# Altium PCB AVR64DA64-BREAKOUT.PcbDoc (part 1 of 4)
Units mm, origin at the board's own origin, x right, y up, seen from the top; angles counter-clockwise.
Board outline 160.02 x 165.1 mm, 2 copper layers (Top Layer, Bottom Layer), stack 1.591 mm thick; 428 components, 351 nets, 1607 pads, 177 vias.
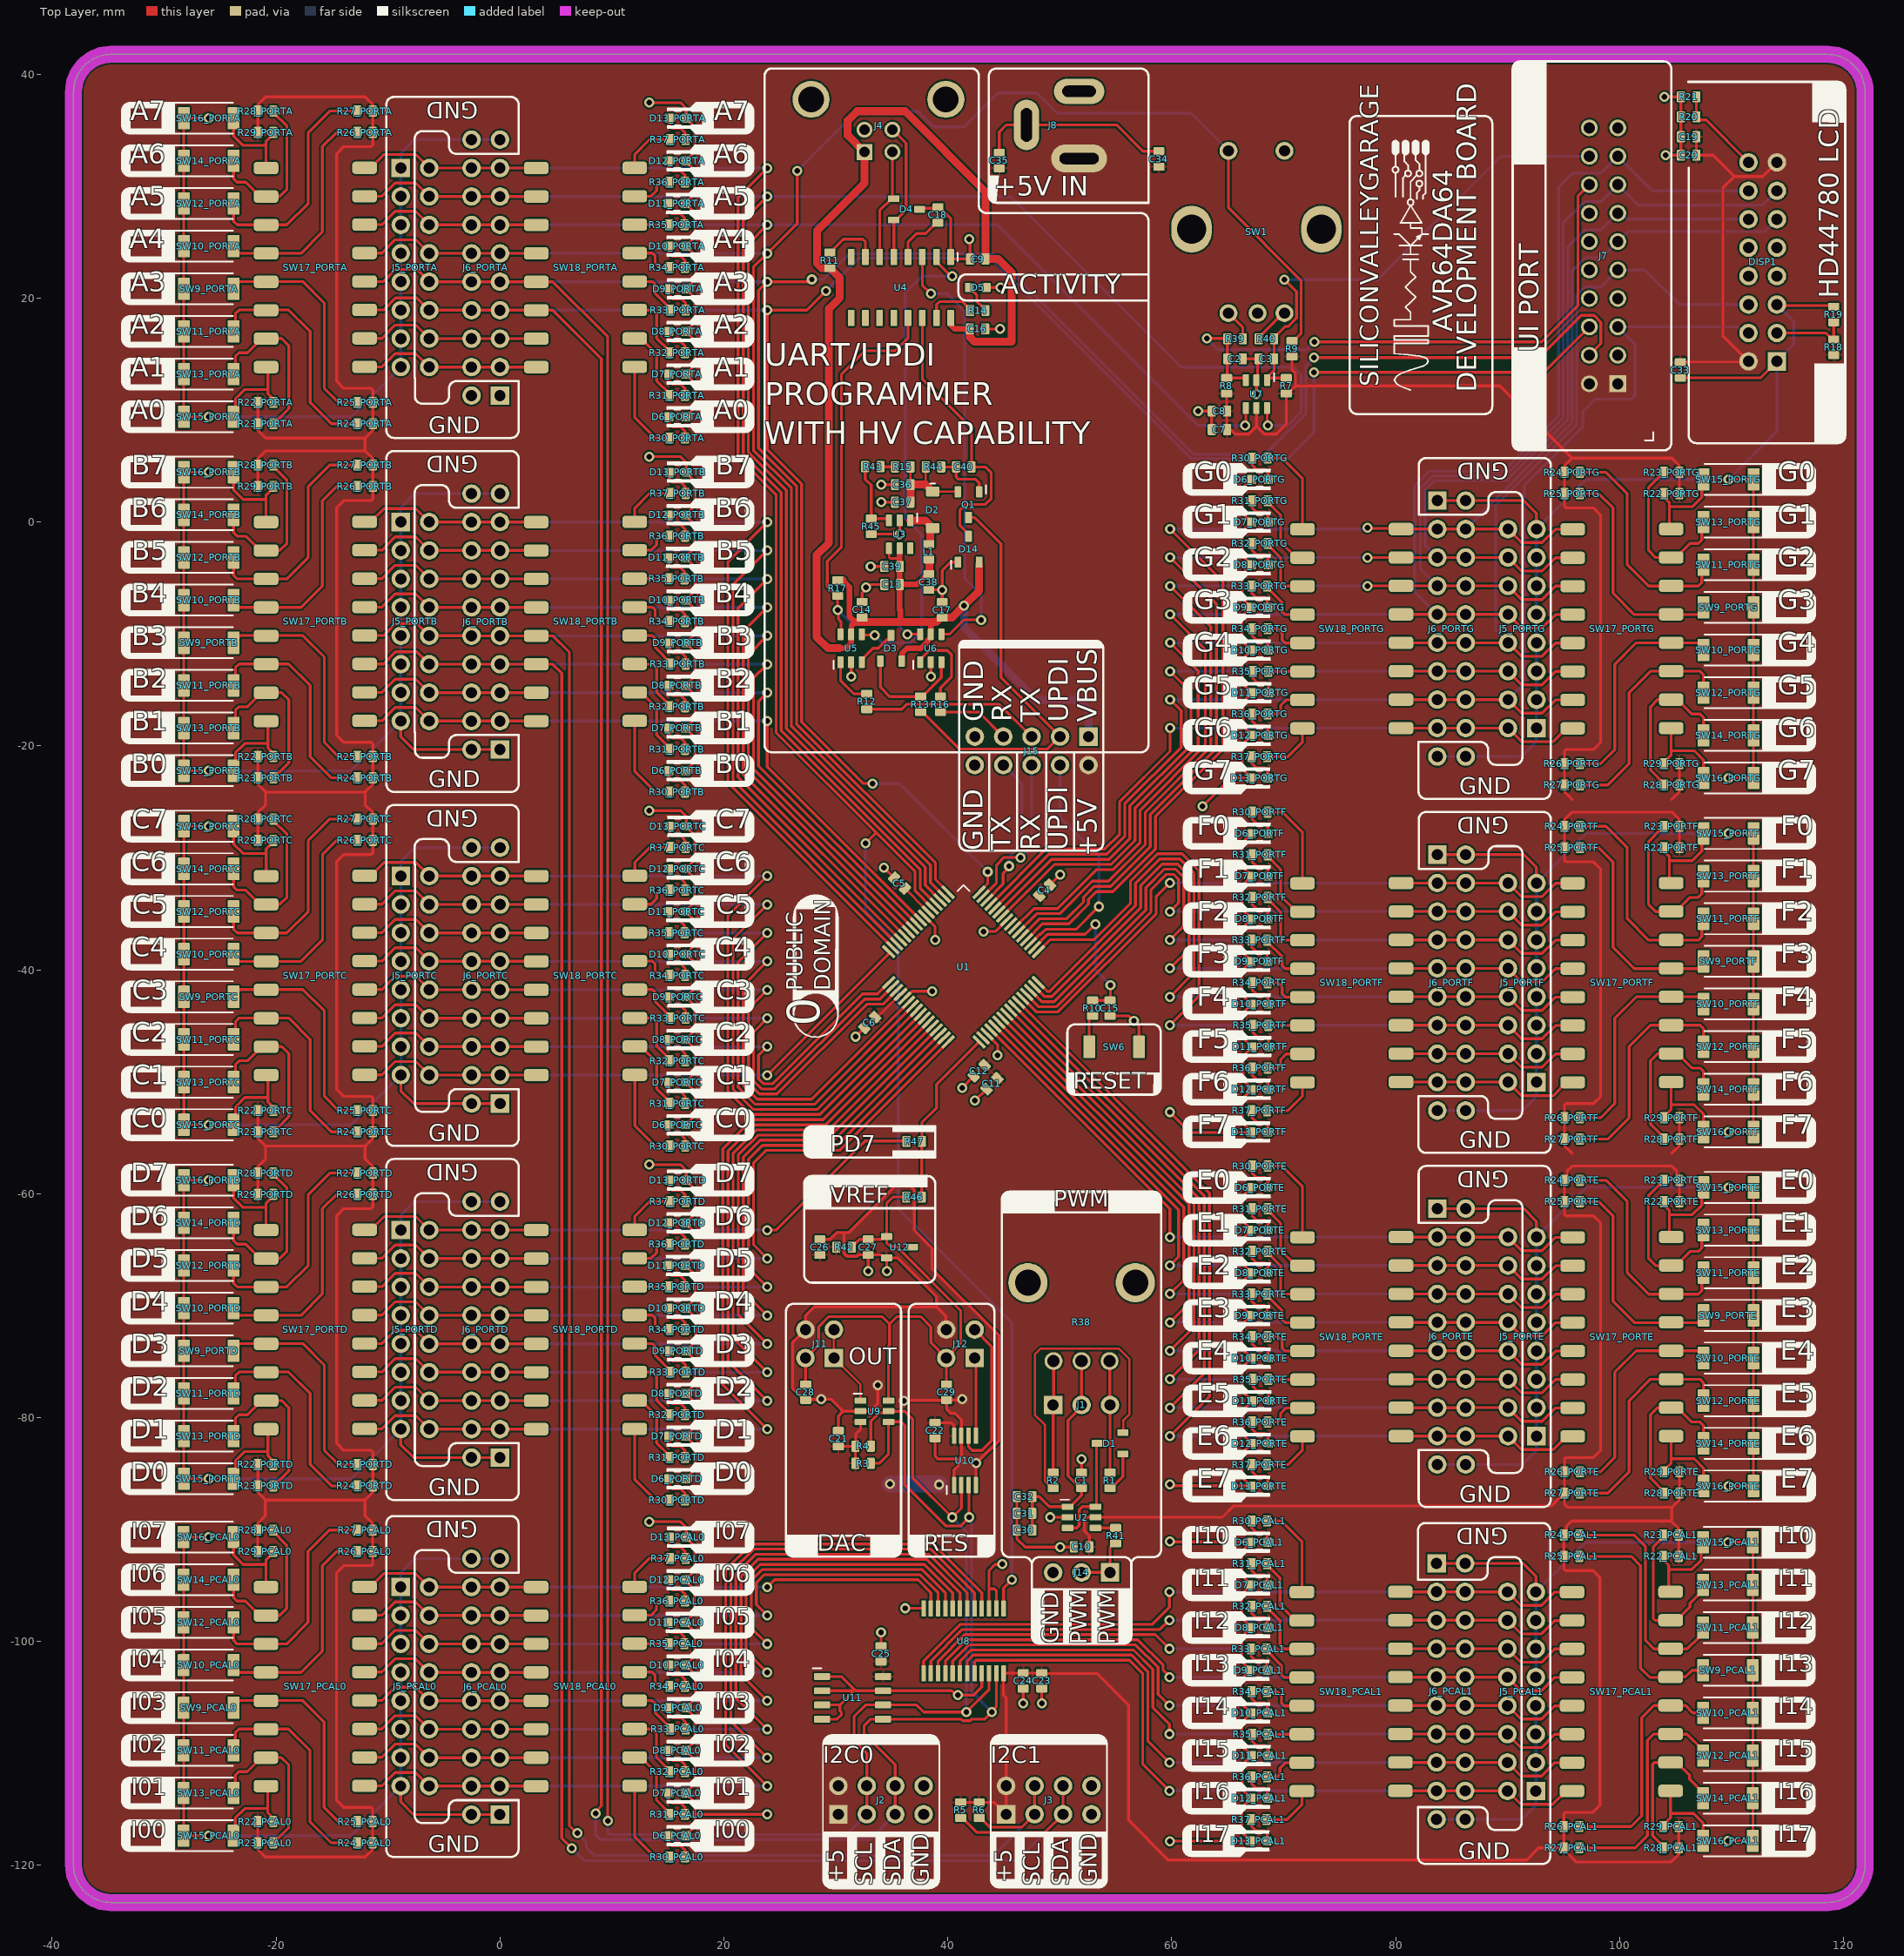
[diagram p0: Top Layer view]
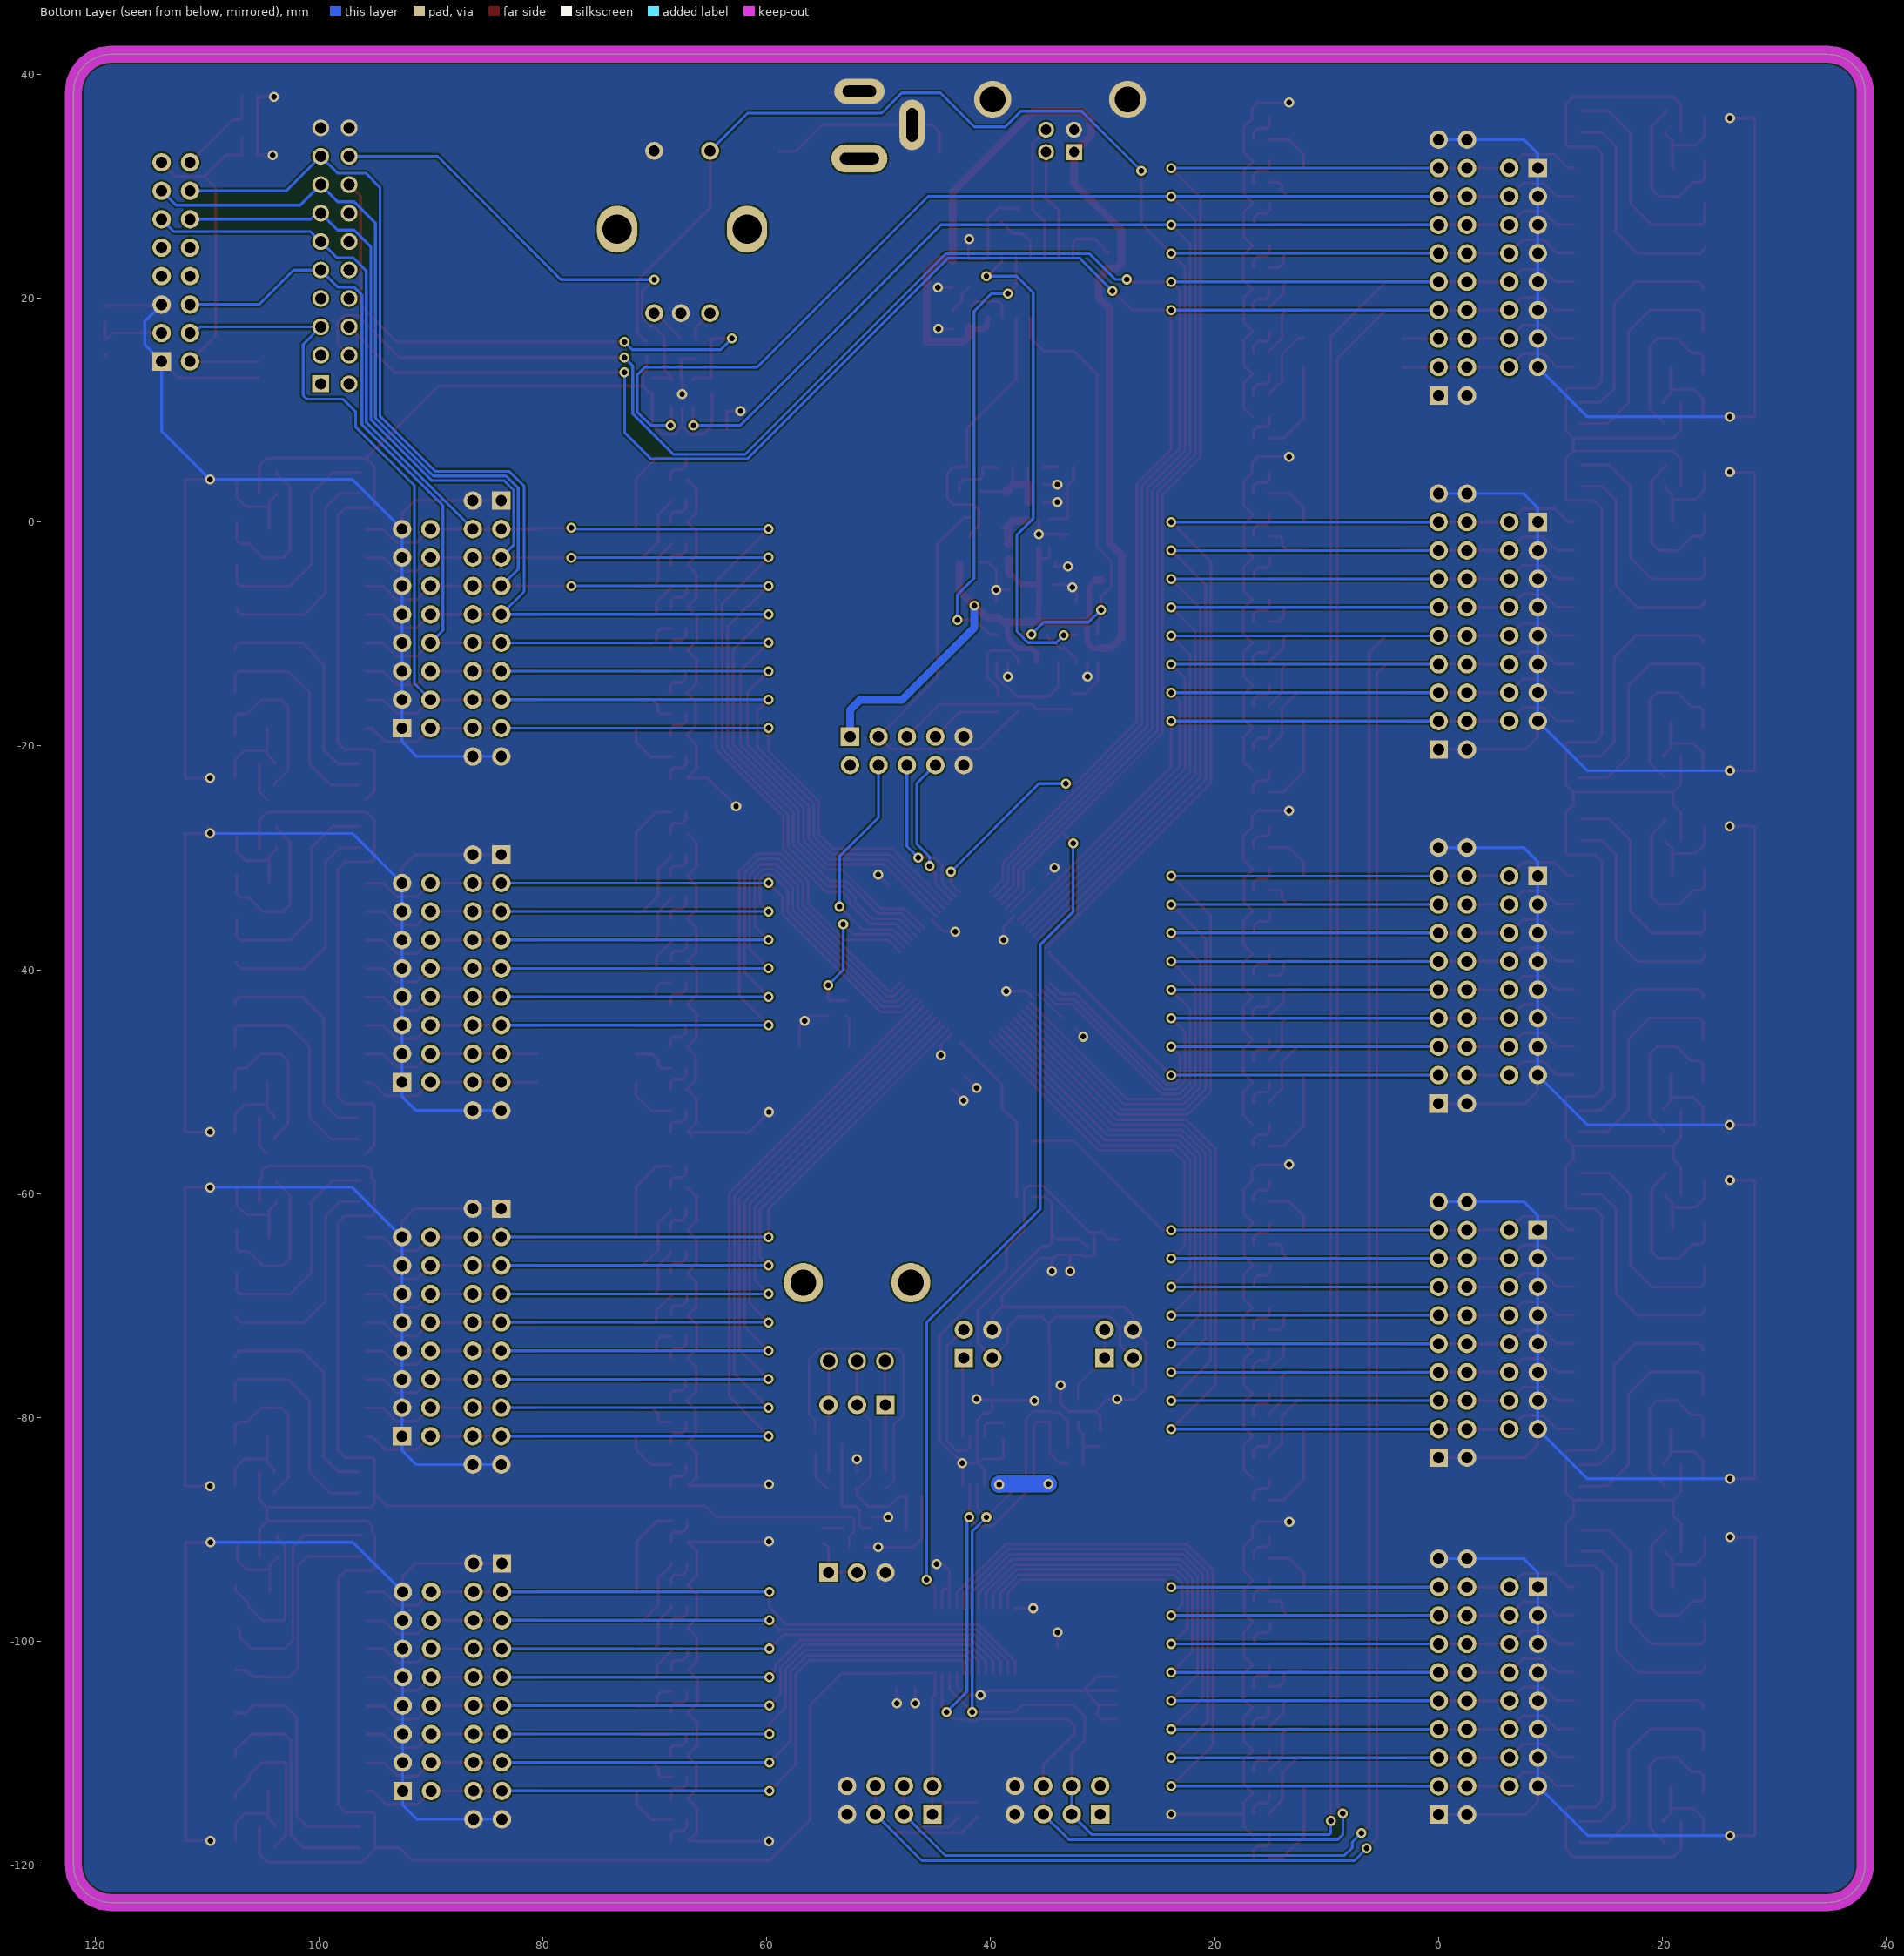
[diagram p1: Bottom Layer view, seen from below]
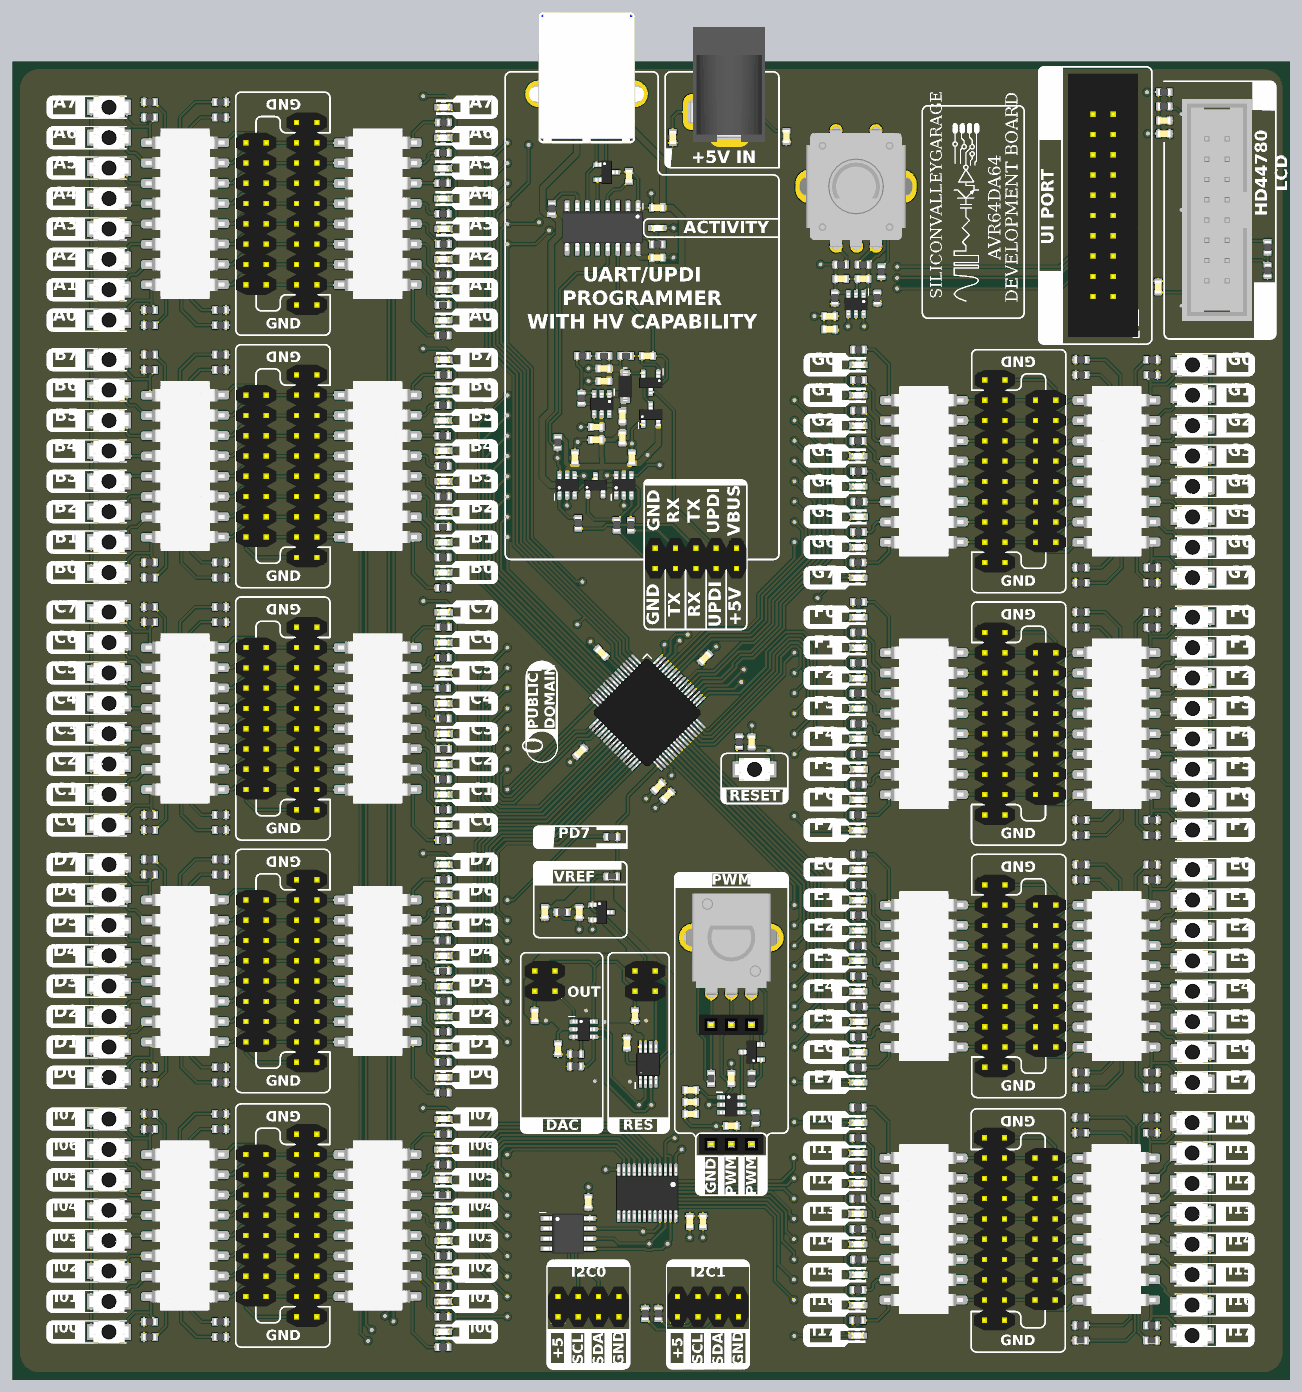
[diagram p5: 3D render of the assembled board from above, using the file's embedded part models]

## Layer stack, top to bottom
Top Solder: solder mask 0.0102, Solder Resist, Dk 3.5
Top Layer: signal copper 0.0356
Dielectric 1: dielectric 1.52, FR-4, Dk 4.8
Bottom Layer: signal copper 0.0356
Bottom Solder: solder mask 0.0102, Solder Resist, Dk 3.5

## Board outline
-38.096,-119.939 ccw(c-34.718,-119.939) -34.718,-123.317 118.546,-123.317 ccw(c118.546,-119.939) 121.924,-119.939 121.924,38.405 ccw(c118.546,38.405) 118.546,41.783 -34.718,41.783 ccw(c-34.718,38.405) -38.096,38.405

## Design rules (kind name [scope] priority, off if disabled: settings)
Clearance [All] p1: gap=0.15 ignorepadtopadclearanceinfootprint=FALSE
HoleSize [All] p1: absolutevalues=TRUE maxlimit=10 minlimit=0.025 maxpercent=80.000 minpercent=20.000
MinimumSolderMaskSliver [All] p1: minsoldermaskwidth=0.1
PolygonConnect [All] p1: thpad.connectstyle=Direct thpad.reliefconductorwidth=0.254 thpad.reliefentries=4 thpad.polygonreliefangle="90 Angle" thpad.airgapwidth=0.254 smdpad.connectstyle=Relief smdpad.reliefconductorwidth=0.2 smdpad.reliefentries=4 smdpad.polygonreliefangle="90 Angle" smdpad.airgapwidth=0.2 via.connectstyle=Direct via.reliefconductorwidth=0.254 via.reliefentries=4 via.polygonreliefangle="90 Angle" via.airgapwidth=0.254
RoomDefinition PCAL1 [InComponentClass('PCAL1')] p1: confinementstyle=ConfineIn formatcopy=TRUE lockcomponents=FALSE outline 60.147,-119.701 118.567,-119.701 118.567,-88.265 60.147,-88.265
RoomDefinition PCAL0 [InComponentClass('PCAL0')] p2: confinementstyle=ConfineIn formatcopy=TRUE lockcomponents=FALSE outline 23.499,-88.773 -34.921,-88.773 -34.921,-120.25 23.499,-120.25
RoomDefinition PORTG [InComponentClass('PORTG')] p3: confinementstyle=ConfineIn formatcopy=TRUE lockcomponents=FALSE outline 60.202,-24.765 118.622,-24.765 118.622,6.55 60.202,6.55
RoomDefinition PORTF [InComponentClass('PORTF')] p4: confinementstyle=ConfineIn formatcopy=TRUE lockcomponents=FALSE outline 60.202,-56.388 118.622,-56.388 118.622,-25.019 60.202,-25.019
RoomDefinition PORTE [InComponentClass('PORTE')] p5: confinementstyle=ConfineIn formatcopy=TRUE lockcomponents=FALSE outline 60.202,-88.011 118.622,-88.011 118.622,-56.642 60.202,-56.642
RoomDefinition PORTD [InComponentClass('PORTD')] p6: confinementstyle=ConfineIn formatcopy=TRUE lockcomponents=FALSE outline 23.511,-56.642 -34.909,-56.642 -34.909,-88.35 23.511,-88.35
RoomDefinition PORTC [InComponentClass('PORTC')] p7: confinementstyle=ConfineIn formatcopy=TRUE lockcomponents=FALSE outline 23.515,-25.019 -34.905,-25.019 -34.905,-56.575 23.515,-56.575
RoomDefinition PORTB [InComponentClass('PORTB')] p8: confinementstyle=ConfineIn formatcopy=TRUE lockcomponents=FALSE outline 23.511,6.604 -34.909,6.604 -34.909,-24.975 23.511,-24.975
RoomDefinition PORTA [InComponentClass('PORTA')] p9: confinementstyle=ConfineIn formatcopy=TRUE lockcomponents=FALSE outline 23.511,38.227 -34.909,38.227 -34.909,6.65 23.511,6.65
RoutingVias [All] p1: holewidth=0.5 width=0.9 viastyle="Through Hole" minholewidth=0.25 minwidth=0.45 maxholewidth=0.6 maxwidth=1
SilkToSilkClearance [All] p1 off: silktosilkclearance=0.15
SilkToSolderMaskClearance [IsPad] p1: minsilkscreentomaskgap=0.05 clearancetoexposedcopper=TRUE
SolderMaskExpansion [All] p1: expansion=0.102 istentingtop=FALSE
SupplyNets "Schematic Supply Nets_4" [InNet('VREF')] p1: voltage=0.000
SupplyNets "Schematic Supply Nets_3" [InNet('VBUS')] p2: voltage=0.000
SupplyNets "Schematic Supply Nets_1" [InNet('P5VD')] p3: voltage=0.000
SupplyNets "Schematic Supply Nets" [InNet('GND')] p4: voltage=0.000
Width [All] p1: maxlimit=2.54 minlimit=0.152 preferedwidth=0.203
26 further rules are at their usual default settings.

## Classes and differential pairs
component class PCAL1: D6_PCAL1 D7_PCAL1 D8_PCAL1 D9_PCAL1 D10_PCAL1 D11_PCAL1 D12_PCAL1 D13_PCAL1 J5_PCAL1 J6_PCAL1 R22_PCAL1 R23_PCAL1 R24_PCAL1 R25_PCAL1 R26_PCAL1 R27_PCAL1 R28_PCAL1 R29_PCAL1 R30_PCAL1 R31_PCAL1 R32_PCAL1 R33_PCAL1 R34_PCAL1 R35_PCAL1 R36_PCAL1 R37_PCAL1 SW9_PCAL1 SW10_PCAL1 SW11_PCAL1 SW12_PCAL1 SW13_PCAL1 SW14_PCAL1 SW15_PCAL1 SW16_PCAL1 SW17_PCAL1 SW18_PCAL1
component class PCAL0: D6_PCAL0 D7_PCAL0 D8_PCAL0 D9_PCAL0 D10_PCAL0 D11_PCAL0 D12_PCAL0 D13_PCAL0 J5_PCAL0 J6_PCAL0 R22_PCAL0 R23_PCAL0 R24_PCAL0 R25_PCAL0 R26_PCAL0 R27_PCAL0 R28_PCAL0 R29_PCAL0 R30_PCAL0 R31_PCAL0 R32_PCAL0 R33_PCAL0 R34_PCAL0 R35_PCAL0 R36_PCAL0 R37_PCAL0 SW9_PCAL0 SW10_PCAL0 SW11_PCAL0 SW12_PCAL0 SW13_PCAL0 SW14_PCAL0 SW15_PCAL0 SW16_PCAL0 SW17_PCAL0 SW18_PCAL0
channel class AVR64DA64-IO: PCAL0 PCAL1 PORTA PORTB PORTC PORTD PORTE PORTF PORTG
component class U_PCAL9555IO: C21 C22 C23 C24 C25 C28 C29 J11 J12 U8 U9 U10 U11
component class PORTG: D6_PORTG D7_PORTG D8_PORTG D9_PORTG D10_PORTG D11_PORTG D12_PORTG D13_PORTG J5_PORTG J6_PORTG R22_PORTG R23_PORTG R24_PORTG R25_PORTG R26_PORTG R27_PORTG R28_PORTG R29_PORTG R30_PORTG R31_PORTG R32_PORTG R33_PORTG R34_PORTG R35_PORTG R36_PORTG R37_PORTG SW9_PORTG SW10_PORTG SW11_PORTG SW12_PORTG SW13_PORTG SW14_PORTG SW15_PORTG SW16_PORTG SW17_PORTG SW18_PORTG
component class PORTF: D6_PORTF D7_PORTF D8_PORTF D9_PORTF D10_PORTF D11_PORTF D12_PORTF D13_PORTF J5_PORTF J6_PORTF R22_PORTF R23_PORTF R24_PORTF R25_PORTF R26_PORTF R27_PORTF R28_PORTF R29_PORTF R30_PORTF R31_PORTF R32_PORTF R33_PORTF R34_PORTF R35_PORTF R36_PORTF R37_PORTF SW9_PORTF SW10_PORTF SW11_PORTF SW12_PORTF SW13_PORTF SW14_PORTF SW15_PORTF SW16_PORTF SW17_PORTF SW18_PORTF
component class PORTE: D6_PORTE D7_PORTE D8_PORTE D9_PORTE D10_PORTE D11_PORTE D12_PORTE D13_PORTE J5_PORTE J6_PORTE R22_PORTE R23_PORTE R24_PORTE R25_PORTE R26_PORTE R27_PORTE R28_PORTE R29_PORTE R30_PORTE R31_PORTE R32_PORTE R33_PORTE R34_PORTE R35_PORTE R36_PORTE R37_PORTE SW9_PORTE SW10_PORTE SW11_PORTE SW12_PORTE SW13_PORTE SW14_PORTE SW15_PORTE SW16_PORTE SW17_PORTE SW18_PORTE
component class PORTD: D6_PORTD D7_PORTD D8_PORTD D9_PORTD D10_PORTD D11_PORTD D12_PORTD D13_PORTD J5_PORTD J6_PORTD R22_PORTD R23_PORTD R24_PORTD R25_PORTD R26_PORTD R27_PORTD R28_PORTD R29_PORTD R30_PORTD R31_PORTD R32_PORTD R33_PORTD R34_PORTD R35_PORTD R36_PORTD R37_PORTD SW9_PORTD SW10_PORTD SW11_PORTD SW12_PORTD SW13_PORTD SW14_PORTD SW15_PORTD SW16_PORTD SW17_PORTD SW18_PORTD
component class PORTC: D6_PORTC D7_PORTC D8_PORTC D9_PORTC D10_PORTC D11_PORTC D12_PORTC D13_PORTC J5_PORTC J6_PORTC R22_PORTC R23_PORTC R24_PORTC R25_PORTC R26_PORTC R27_PORTC R28_PORTC R29_PORTC R30_PORTC R31_PORTC R32_PORTC R33_PORTC R34_PORTC R35_PORTC R36_PORTC R37_PORTC SW9_PORTC SW10_PORTC SW11_PORTC SW12_PORTC SW13_PORTC SW14_PORTC SW15_PORTC SW16_PORTC SW17_PORTC SW18_PORTC
component class PORTB: D6_PORTB D7_PORTB D8_PORTB D9_PORTB D10_PORTB D11_PORTB D12_PORTB D13_PORTB J5_PORTB J6_PORTB R22_PORTB R23_PORTB R24_PORTB R25_PORTB R26_PORTB R27_PORTB R28_PORTB R29_PORTB R30_PORTB R31_PORTB R32_PORTB R33_PORTB R34_PORTB R35_PORTB R36_PORTB R37_PORTB SW9_PORTB SW10_PORTB SW11_PORTB SW12_PORTB SW13_PORTB SW14_PORTB SW15_PORTB SW16_PORTB SW17_PORTB SW18_PORTB
component class PORTA: D6_PORTA D7_PORTA D8_PORTA D9_PORTA D10_PORTA D11_PORTA D12_PORTA D13_PORTA J5_PORTA J6_PORTA R22_PORTA R23_PORTA R24_PORTA R25_PORTA R26_PORTA R27_PORTA R28_PORTA R29_PORTA R30_PORTA R31_PORTA R32_PORTA R33_PORTA R34_PORTA R35_PORTA R36_PORTA R37_PORTA SW9_PORTA SW10_PORTA SW11_PORTA SW12_PORTA SW13_PORTA SW14_PORTA SW15_PORTA SW16_PORTA SW17_PORTA SW18_PORTA
component class AVR64DA64-BREAKOUT: C1 C2 C3 C4 C5 C6 C7 C8 C9 C10 C11 C12 C13 C14 C15 C16 C17 C18 C19 C20 C26 C27 C30 C31 C32 C33 C34 C35 C36 C37 C38 C39 C40 D1 D2 D3 D4 D5 D14 DISP1 J1 J2 J3 J4 J7 J8 J14 J15 J? L1 Q1 R1 R2 R3 R4 R5 R6 R7 R8 R9 R10 R11 R12 R13 R14 R15 R16 R17 R18 R19 R20 R21 R38 R39 R40 R41 R42 R43 R44 R45 R46 R47 SW1 SW6 U1 U2 U3 U4 U5 U6 U7 U12

## Components (designator, comment, footprint, x,y, rotation, side; value= is the part's Value field where it differs from the comment)
C1 "CAP0603" CAPC0603 51.943,-85.598 r90 top
C2 "CAP0603" CAPC0603 65.659,14.585 r0 top
C3 "CAP0603" CAPC0603 68.453,14.585 r180 top
C4 "CAP0603" CAPC0603 48.641,-32.893 r45 top
C5 "CAP0603" CAPC0603 35.687,-32.258 r135 top
C6 "CAP0603" CAPC0603 33.02,-44.704 r225 top
C7 "CAP0603" CAPC0603 64.262,8.255 r180 top
C8 "CAP0603" CAPC0603 64.262,9.906 r180 top
C9 "CAP0603" CAPC0603 42.672,23.495 r180 top
C10 "CAP0603" CAPC0603 51.943,-91.538 r180 top
C11 "CAP0603" CAPC0603 43.942,-50.165 r225 top
C12 "CAP0603" CAPC0603 42.799,-49.022 r225 top
C13 "CAP0603" CAPC0603 35.025,-5.575 r180 top
C14 "CAP0603" CAPC0603 32.35,-7.825 r90 top
C15 "CAP0603" CAPC0603 54.479,-43.427 r90 top
C16 "CAP0603" CAPC0603 42.65,17.25 r0 top
C17 "CAP0603" CAPC0603 39.49,-7.842 r90 top
C18 "CAP0603" CAPC0603 39.116,27.432 r90 top
C19 "CAP0603" CAPC0603 106.172,34.417 r180 top
C20 "CAP0603" CAPC0603 106.172,32.766 r180 top
C21 "CAP0603" CAPC0603 30.225,-81.875 r90 top
C22 "CAP0603" CAPC0603 38.862,-81.153 r270 top
C23 "CAP0603" CAPC0603 48.387,-103.505 r270 top
C24 "CAP0603" CAPC0603 46.732,-103.505 r270 top
C25 "CAP0603" CAPC0603 34.036,-101.092 r90 top
C26 "CAP0603" CAPC0603 28.575,-64.77 r90 top
C27 "CAP0603" CAPC0603 32.893,-64.77 r270 top
C28 "CAP0603" CAPC0603 27.305,-77.724 r90 top
C29 "CAP0603" CAPC0603 39.878,-77.724 r270 top
C30 "CAP0603" CAPC0603 46.85,-90.05 r180 top
C31 "CAP0603" CAPC0603 46.85,-88.55 r180 top
C32 "CAP0603" CAPC0603 46.85,-87.05 r180 top
C33 "CAP0603" CAPC0603 105.425,13.575 r270 top
C34 "CAP0603" CAPC0603 58.85,32.425 r90 top
C35 "CAP0603" CAPC0603 44.6,32.3 r90 top
C36 "CAP0603" CAPC0603 35.975,3.35 r180 top
C37 "CAP0603" CAPC0603 35.975,1.775 r180 top
C38 "CAP0603" CAPC0603 38.3,-5.35 r270 top
C39 "CAP0603" CAPC0603 35.025,-3.975 r180 top
C40 "CAP0603" CAPC0603 41.425,4.925 r180 top
D1 "BAV99" sot23 54.483,-82.296 r180 top
D2 "B5819L" SOD123 38.65,1.1 r270 top
D3 "BAV99" sot23 34.922,-11.271 r90 top
D4 "PESD2USB5" SOT23 36.322,27.94 r0 top
D5 "KT-0603W" LED-0603-GREEN 42.672,20.955 r180 top
D6_PCAL0 "KT-0603W" LED-0603-GREEN 15.824,-117.348 r180 top (schematic designator D6)
D6_PCAL1 "KT-0603W" LED-0603-GREEN 67.822,-91.126 r0 top (schematic designator D6)
D6_PORTA "KT-0603W" LED-0603-GREEN 15.836,9.41 r180 top (schematic designator D6)
D6_PORTB "KT-0603W" LED-0603-GREEN 15.836,-22.213 r180 top (schematic designator D6)
D6_PORTC "KT-0603W" LED-0603-GREEN 15.84,-53.836 r180 top (schematic designator D6)
D6_PORTD "KT-0603W" LED-0603-GREEN 15.836,-85.459 r180 top (schematic designator D6)
D6_PORTE "KT-0603W" LED-0603-GREEN 67.877,-59.436 r0 top (schematic designator D6)
D6_PORTF "KT-0603W" LED-0603-GREEN 67.877,-27.813 r0 top (schematic designator D6)
D6_PORTG "KT-0603W" LED-0603-GREEN 67.877,3.81 r0 top (schematic designator D6)
D7_PCAL0 "KT-0603W" LED-0603-GREEN 15.824,-113.538 r180 top (schematic designator D7)
D7_PCAL1 "KT-0603W" LED-0603-GREEN 67.822,-94.936 r0 top (schematic designator D7)
D7_PORTA "KT-0603W" LED-0603-GREEN 15.836,13.22 r180 top (schematic designator D7)
D7_PORTB "KT-0603W" LED-0603-GREEN 15.836,-18.403 r180 top (schematic designator D7)
D7_PORTC "KT-0603W" LED-0603-GREEN 15.84,-50.026 r180 top (schematic designator D7)
D7_PORTD "KT-0603W" LED-0603-GREEN 15.836,-81.649 r180 top (schematic designator D7)
D7_PORTE "KT-0603W" LED-0603-GREEN 67.877,-63.246 r0 top (schematic designator D7)
D7_PORTF "KT-0603W" LED-0603-GREEN 67.877,-31.623 r0 top (schematic designator D7)
D7_PORTG "KT-0603W" LED-0603-GREEN 67.877,0 r0 top (schematic designator D7)
D8_PCAL0 "KT-0603W" LED-0603-GREEN 15.824,-109.728 r180 top (schematic designator D8)
D8_PCAL1 "KT-0603W" LED-0603-GREEN 67.822,-98.746 r0 top (schematic designator D8)
D8_PORTA "KT-0603W" LED-0603-GREEN 15.836,17.03 r180 top (schematic designator D8)
D8_PORTB "KT-0603W" LED-0603-GREEN 15.836,-14.593 r180 top (schematic designator D8)
D8_PORTC "KT-0603W" LED-0603-GREEN 15.84,-46.216 r180 top (schematic designator D8)
D8_PORTD "KT-0603W" LED-0603-GREEN 15.836,-77.839 r180 top (schematic designator D8)
D8_PORTE "KT-0603W" LED-0603-GREEN 67.877,-67.056 r0 top (schematic designator D8)
D8_PORTF "KT-0603W" LED-0603-GREEN 67.877,-35.433 r0 top (schematic designator D8)
D8_PORTG "KT-0603W" LED-0603-GREEN 67.877,-3.81 r0 top (schematic designator D8)
D9_PCAL0 "KT-0603W" LED-0603-GREEN 15.879,-105.918 r180 top (schematic designator D9)
D9_PCAL1 "KT-0603W" LED-0603-GREEN 67.767,-102.556 r0 top (schematic designator D9)
D9_PORTA "KT-0603W" LED-0603-GREEN 15.891,20.84 r180 top (schematic designator D9)
D9_PORTB "KT-0603W" LED-0603-GREEN 15.891,-10.783 r180 top (schematic designator D9)
D9_PORTC "KT-0603W" LED-0603-GREEN 15.895,-42.406 r180 top (schematic designator D9)
D9_PORTD "KT-0603W" LED-0603-GREEN 15.891,-74.029 r180 top (schematic designator D9)
D9_PORTE "KT-0603W" LED-0603-GREEN 67.822,-70.866 r0 top (schematic designator D9)
D9_PORTF "KT-0603W" LED-0603-GREEN 67.822,-39.243 r0 top (schematic designator D9)
D9_PORTG "KT-0603W" LED-0603-GREEN 67.822,-7.62 r0 top (schematic designator D9)
D10_PCAL0 "KT-0603W" LED-0603-GREEN 15.824,-102.108 r180 top (schematic designator D10)
D10_PCAL1 "KT-0603W" LED-0603-GREEN 67.822,-106.366 r0 top (schematic designator D10)
D10_PORTA "KT-0603W" LED-0603-GREEN 15.836,24.65 r180 top (schematic designator D10)
D10_PORTB "KT-0603W" LED-0603-GREEN 15.836,-6.973 r180 top (schematic designator D10)
D10_PORTC "KT-0603W" LED-0603-GREEN 15.84,-38.596 r180 top (schematic designator D10)
D10_PORTD "KT-0603W" LED-0603-GREEN 15.836,-70.219 r180 top (schematic designator D10)
D10_PORTE "KT-0603W" LED-0603-GREEN 67.877,-74.676 r0 top (schematic designator D10)
D10_PORTF "KT-0603W" LED-0603-GREEN 67.877,-43.053 r0 top (schematic designator D10)
D10_PORTG "KT-0603W" LED-0603-GREEN 67.877,-11.43 r0 top (schematic designator D10)
D11_PCAL0 "KT-0603W" LED-0603-GREEN 15.769,-98.298 r180 top (schematic designator D11)
D11_PCAL1 "KT-0603W" LED-0603-GREEN 67.877,-110.176 r0 top (schematic designator D11)
D11_PORTA "KT-0603W" LED-0603-GREEN 15.781,28.46 r180 top (schematic designator D11)
D11_PORTB "KT-0603W" LED-0603-GREEN 15.781,-3.163 r180 top (schematic designator D11)
D11_PORTC "KT-0603W" LED-0603-GREEN 15.785,-34.786 r180 top (schematic designator D11)
D11_PORTD "KT-0603W" LED-0603-GREEN 15.781,-66.409 r180 top (schematic designator D11)
D11_PORTE "KT-0603W" LED-0603-GREEN 67.932,-78.486 r0 top (schematic designator D11)
D11_PORTF "KT-0603W" LED-0603-GREEN 67.932,-46.863 r0 top (schematic designator D11)
D11_PORTG "KT-0603W" LED-0603-GREEN 67.932,-15.24 r0 top (schematic designator D11)
D12_PCAL0 "KT-0603W" LED-0603-GREEN 15.824,-94.488 r180 top (schematic designator D12)
D12_PCAL1 "KT-0603W" LED-0603-GREEN 67.822,-113.986 r0 top (schematic designator D12)
D12_PORTA "KT-0603W" LED-0603-GREEN 15.836,32.27 r180 top (schematic designator D12)
D12_PORTB "KT-0603W" LED-0603-GREEN 15.836,0.647 r180 top (schematic designator D12)